# KiCad board keyboard.kicad_pcb
title: Entropy; date: 2021-07-25; rev: 0.4w; company: Josh Johnson
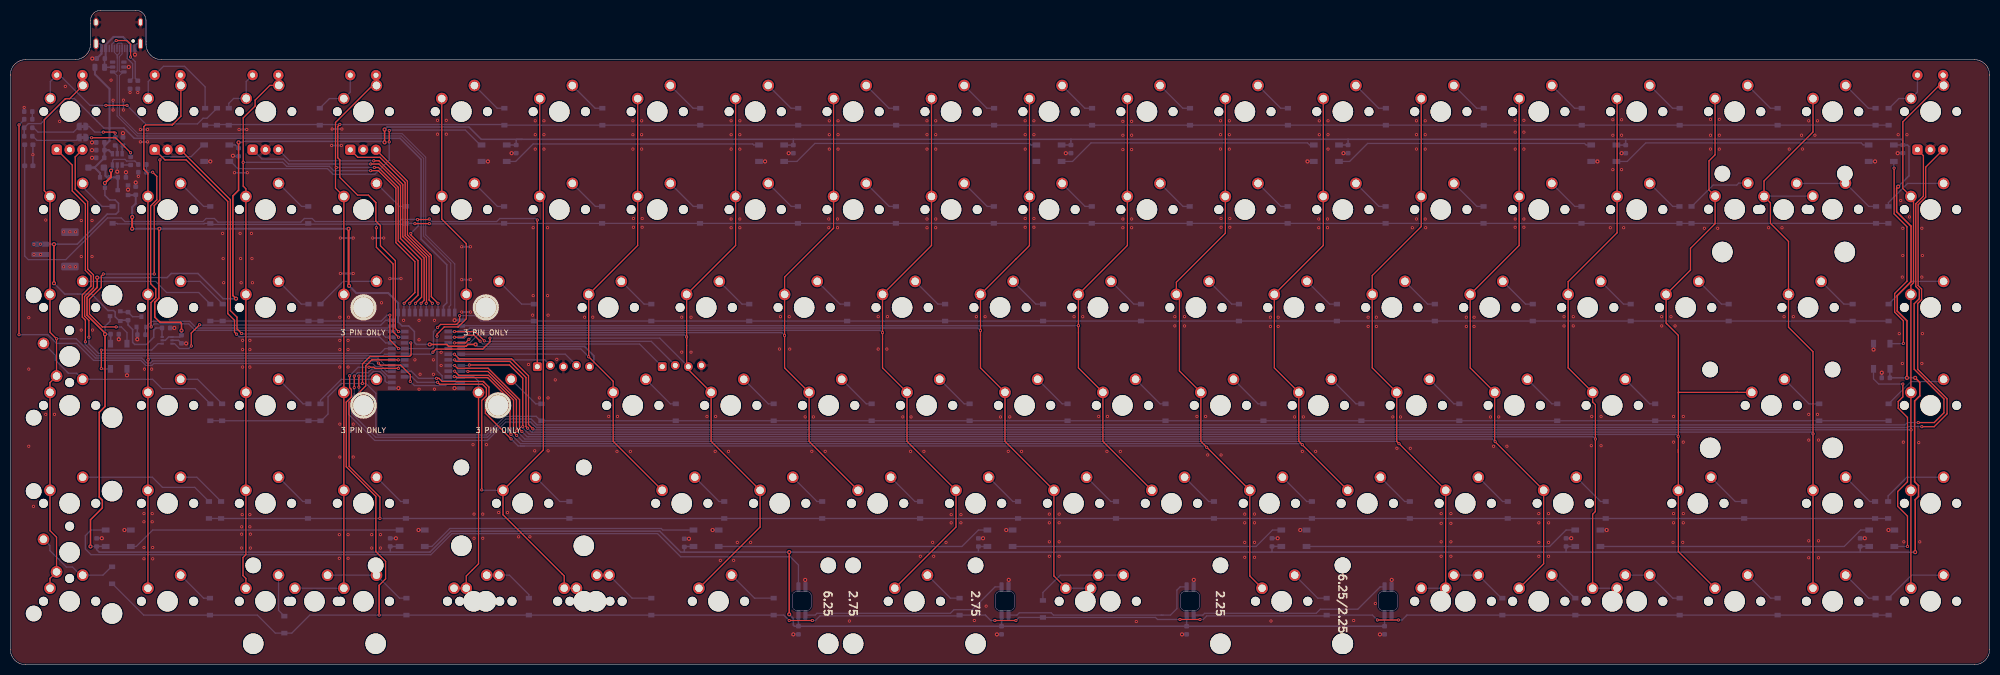
[diagram p0: board, top side]
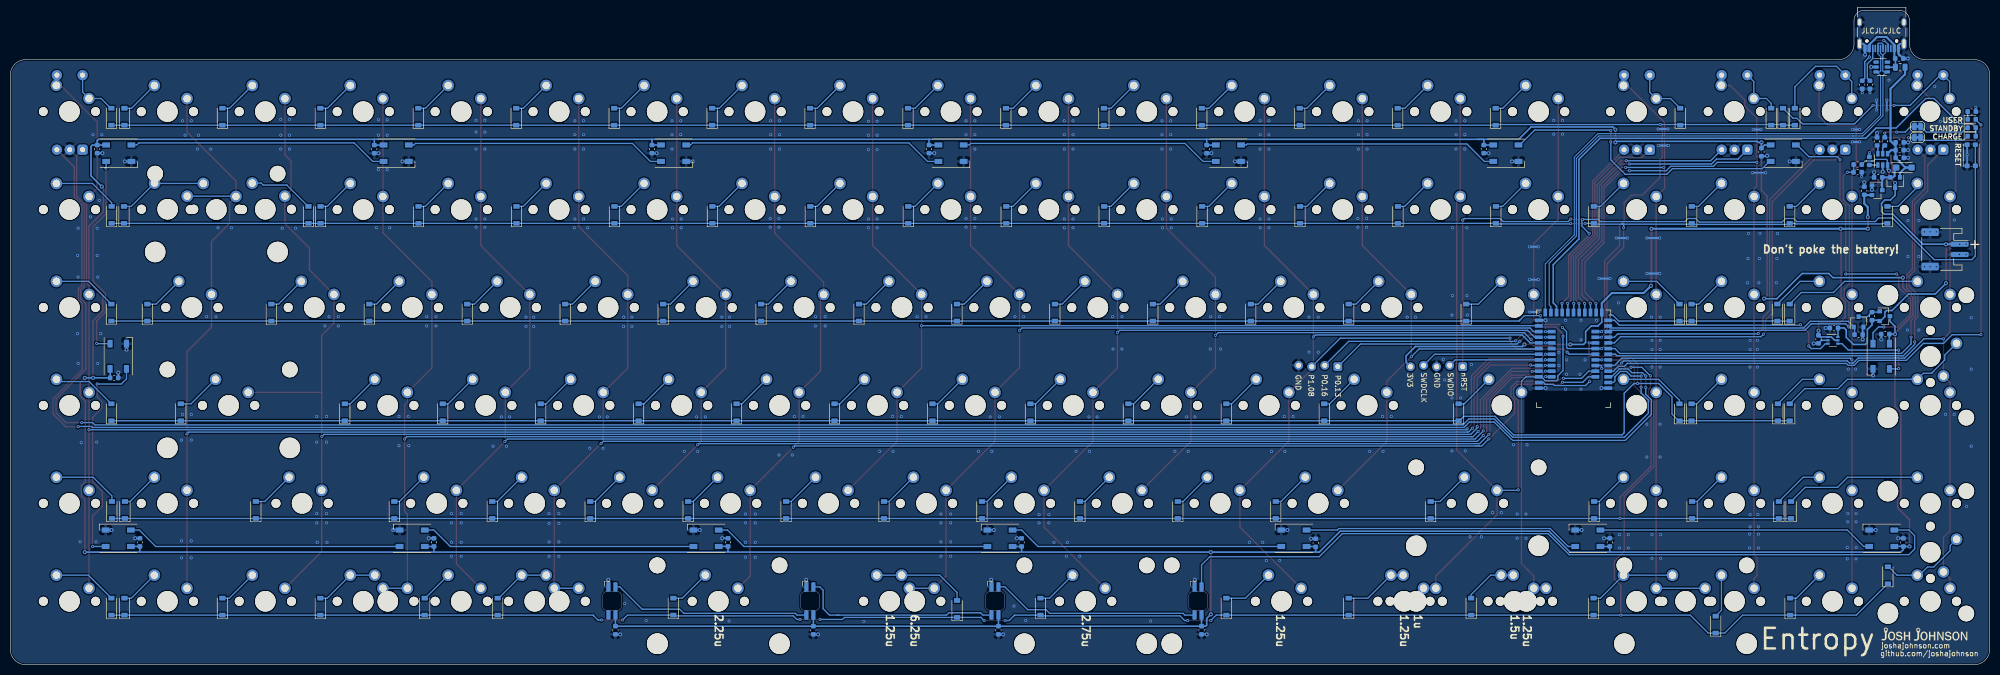
[diagram p1: board, bottom side, seen from below]

Outline 385 x 127.3 mm; copper layers: Top, Bottom. Coordinates in mm from the lower left corner of the outline.
Outline path: 0,114.7 arc(0.88,116.82) 3,117.7 12.6,117.7 arc(14.72,118.58) 15.6,120.7 15.6,125.3 arc(16.19,126.71) 17.6,127.3 24.4,127.3 arc(25.81,126.71) 26.4,125.3 26.4,120.7 arc(27.28,118.58) 29.4,117.7 382,117.7 arc(384.12,116.82) 385,114.7 385,3 arc(384.12,0.88) 382,0 3,0 arc(0.88,0.88) 0,3 0,114.7
Stack: Top 0.035mm / dielectric 1.51mm FR4 er 4.5 / Bottom 0.035mm

## Placement (name value [footprint] x y rotation side)
C1  100n  [C_0603_1608Metric]  368.1 100.3 90 bottom
C2  100n  [C_0603_1608Metric]  364.79 55.8 0 bottom
C3  100n  [C_0603_1608Metric]  359.8 23.8 270 bottom
C4  100n  [C_0603_1608Metric]  314.2 100.29 90 bottom
C5  100n  [C_0603_1608Metric]  302.6 23.8 270 bottom
C6  100n  [C_0603_1608Metric]  267.3 6.7 90 bottom
C7  100n  [C_0603_1608Metric]  260.2 100.3 90 bottom
C8  100n  [C_0603_1608Metric]  245.4 23.8 270 bottom
C9  100n  [C_0603_1608Metric]  228.8 6.7 90 bottom
C10  100n  [C_0603_1608Metric]  206.3 100.3 90 bottom
C11  100n  [C_0603_1608Metric]  192.8 6.7 90 bottom
C12  100n  [C_0603_1608Metric]  188.3 23.79 270 bottom
C13  100n  [C_0603_1608Metric]  153.3 6.7 90 bottom
C14  100n  [C_0603_1608Metric]  152.3 100.29 90 bottom
C15  100n  [C_0603_1608Metric]  131.1 23.71 270 bottom
C16  100n  [C_0603_1608Metric]  98.4 100.3 90 bottom
C17  100n  [C_0603_1608Metric]  73.9 23.8 270 bottom
C18  100n  [C_0603_1608Metric]  44.4 99.7 90 bottom
C19  100n  [C_0603_1608Metric]  33.3 63.3 270 bottom
C20  100n  [C_0603_1608Metric]  30.3 65.5 0 bottom
C21  1u  [C_0603_1608Metric]  24.4 92.2 270 bottom
C22  10u  [C_0603_1608Metric]  21.7 94.8 0 bottom
C23  100n  [C_0603_1608Metric]  20.31 64.3 180 bottom
C24  10u  [C_0603_1608Metric]  17.6 117.91 0 bottom
C25  10u  [C_0603_1608Metric]  17.51 101.59 180 bottom
C26  1u  [C_0603_1608Metric]  17.53 100.09 180 bottom
C27  100n  [C_0603_1608Metric]  16.8 23.79 270 bottom
D1  SK6812-MINI-E  [SK8612-MINI-E]  154 12.35 90 top
D2  SK6812-MINI-E  [SK8612-MINI-E]  193.5 12.35 90 top
D3  SK6812-MINI-E  [SK8612-MINI-E]  229.5 12.35 90 top
D4  SK6812-MINI-E  [SK8612-MINI-E]  268 12.35 90 top
D5  WS2812C  [LED_WS2812B_PLCC4_5.0x5.0mm_P3.2mm]  364 60 90 bottom
D6  WS2812C  [LED_WS2812B_PLCC4_5.0x5.0mm_P3.2mm]  364 24.6 0 bottom
D7  WS2812C  [LED_WS2812B_PLCC4_5.0x5.0mm_P3.2mm]  363.9 99.5 180 bottom
D8  WS2812C  [LED_WS2812B_PLCC4_5.0x5.0mm_P3.2mm]  309.94 99.5 180 bottom
D9  WS2812C  [LED_WS2812B_PLCC4_5.0x5.0mm_P3.2mm]  306.83 24.6 0 bottom
D10  WS2812C  [LED_WS2812B_PLCC4_5.0x5.0mm_P3.2mm]  255.98 99.5 180 bottom
D11  WS2812C  [LED_WS2812B_PLCC4_5.0x5.0mm_P3.2mm]  249.67 24.6 0 bottom
D12  WS2812C  [LED_WS2812B_PLCC4_5.0x5.0mm_P3.2mm]  202.02 99.5 180 bottom
D13  WS2812C  [LED_WS2812B_PLCC4_5.0x5.0mm_P3.2mm]  192.5 24.6 0 bottom
D14  WS2812C  [LED_WS2812B_PLCC4_5.0x5.0mm_P3.2mm]  148.07 99.5 180 bottom
D15  WS2812C  [LED_WS2812B_PLCC4_5.0x5.0mm_P3.2mm]  135.33 24.6 0 bottom
D16  WS2812C  [LED_WS2812B_PLCC4_5.0x5.0mm_P3.2mm]  94.11 99.5 180 bottom
D17  WS2812C  [LED_WS2812B_PLCC4_5.0x5.0mm_P3.2mm]  78.17 24.6 0 bottom
D18  WS2812C  [LED_WS2812B_PLCC4_5.0x5.0mm_P3.2mm]  40.15 99.5 180 bottom
D19  WS2812C  [LED_WS2812B_PLCC4_5.0x5.0mm_P3.2mm]  21.1 60 270 bottom
D20  WS2812C  [LED_WS2812B_PLCC4_5.0x5.0mm_P3.2mm]  21 24.6 0 bottom
D21  B5817WL  [D_SOD-123FL]  16.7 96.7 180 bottom
D22  BLU  [LED_0603_1608Metric]  3.5 106.1 180 bottom
D23  GRN  [LED_0603_1608Metric]  3.5 104.45 180 bottom
D24  ORG  [LED_0603_1608Metric]  3.5 102.8 180 bottom
D_1  1N4148  [D_SOD-123]  365.34 106.6 90 bottom
D_2  1N4148  [D_SOD-123]  365.29 87.5 90 bottom
D_3  1N4148  [D_SOD-123]  365.34 68.5 90 bottom
D_4  1N4148  [D_SOD-123]  365.34 49.1 90 bottom
D_5  1N4148  [D_SOD-123]  365.34 11.3 90 bottom
D_6  1N4148  [D_SOD-123]  365.24 30.1 90 bottom
D_7  1N4148  [D_SOD-123]  362.89 87.5 90 bottom
D_8  1N4148  [D_SOD-123]  362.8 106.6 90 bottom
D_9  1N4148  [D_SOD-123]  362.8 11.3 90 bottom
D_10  1N4148  [D_SOD-123]  362.7 30.1 90 bottom
D_11  1N4148  [D_SOD-123]  358.34 68.5 90 bottom
D_12  1N4148  [D_SOD-123]  351.84 49.1 90 bottom
D_13  1N4148  [D_SOD-123]  343.75 106.6 90 bottom
D_14  1N4148  [D_SOD-123]  343.75 11.3 90 bottom
D_15  1N4148  [D_SOD-123]  337.24 30.1 90 bottom
D_16  1N4148  [D_SOD-123]  334.23 68.5 90 bottom
D_17  1N4148  [D_SOD-123]  327 87.5 90 bottom
D_18  1N4148  [D_SOD-123]  324.7 106.6 90 bottom
D_19  1N4148  [D_SOD-123]  324.7 11.3 90 bottom
D_20  1N4148  [D_SOD-123]  324.65 87.5 90 bottom
D_21  1N4148  [D_SOD-123]  319.94 49.1 90 bottom
D_22  1N4148  [D_SOD-123]  315.18 68.5 90 bottom
D_23  1N4148  [D_SOD-123]  310.31 30.1 90 bottom
D_24  1N4148  [D_SOD-123]  305.65 106.6 90 bottom
D_25  1N4148  [D_SOD-123]  305.6 87.5 90 bottom
D_26  1N4148  [D_SOD-123]  304.4 11.3 90 bottom
D_27  1N4148  [D_SOD-123]  300.89 49.1 90 bottom
D_28  1N4148  [D_SOD-123]  296.12 68.5 90 bottom
D_29  1N4148  [D_SOD-123]  291.26 30.1 90 bottom
D_30  1N4148  [D_SOD-123]  290.2 11.3 90 bottom
D_31  1N4148  [D_SOD-123]  286.6 106.6 90 bottom
D_32  1N4148  [D_SOD-123]  286.55 87.5 90 bottom
D_33  1N4148  [D_SOD-123]  281.84 49.1 90 bottom
D_34  1N4148  [D_SOD-123]  277.07 68.5 90 bottom
D_35  1N4148  [D_SOD-123]  272.21 30.1 90 bottom
D_36  1N4148  [D_SOD-123]  267.55 106.6 90 bottom
D_37  1N4148  [D_SOD-123]  267.5 87.5 90 bottom
D_38  1N4148  [D_SOD-123]  262.79 49.1 90 bottom
D_39  1N4148  [D_SOD-123]  258.02 68.5 90 bottom
D_40  1N4148  [D_SOD-123]  256.04 11.3 90 bottom
D_41  1N4148  [D_SOD-123]  253.16 30.1 90 bottom
D_42  1N4148  [D_SOD-123]  248.5 106.6 90 bottom
D_43  1N4148  [D_SOD-123]  248.45 87.5 90 bottom
D_44  1N4148  [D_SOD-123]  243.74 49.1 90 bottom
D_45  1N4148  [D_SOD-123]  238.98 68.5 90 bottom
D_46  1N4148  [D_SOD-123]  234.11 30.1 90 bottom
D_47  1N4148  [D_SOD-123]  229.45 106.6 90 bottom
D_48  1N4148  [D_SOD-123]  229.4 87.5 90 bottom
D_49  1N4148  [D_SOD-123]  224.69 49.1 90 bottom
D_50  1N4148  [D_SOD-123]  200.85 10.85 90 bottom
D_51  1N4148  [D_SOD-123]  219.93 68.5 90 bottom
D_52  1N4148  [D_SOD-123]  215.06 30.1 90 bottom
D_53  1N4148  [D_SOD-123]  210.4 106.6 90 bottom
D_54  1N4148  [D_SOD-123]  210.35 87.5 90 bottom
D_55  1N4148  [D_SOD-123]  205.64 49.1 90 bottom
D_56  1N4148  [D_SOD-123]  200.88 68.5 90 bottom
D_57  1N4148  [D_SOD-123]  196.01 30.1 90 bottom
D_58  1N4148  [D_SOD-123]  191.35 106.6 90 bottom
D_59  1N4148  [D_SOD-123]  191.3 87.5 90 bottom
D_60  1N4148  [D_SOD-123]  186.59 49.1 90 bottom
D_61  1N4148  [D_SOD-123]  184.64 11.3 90 bottom
D_62  1N4148  [D_SOD-123]  181.82 68.5 90 bottom
D_63  1N4148  [D_SOD-123]  176.96 30.1 90 bottom
D_64  1N4148  [D_SOD-123]  172.3 106.6 90 bottom
D_65  1N4148  [D_SOD-123]  172.25 87.5 90 bottom
D_66  1N4148  [D_SOD-123]  167.54 49.1 90 bottom
D_67  1N4148  [D_SOD-123]  162.77 68.5 90 bottom
D_68  1N4148  [D_SOD-123]  157.91 30.1 90 bottom
D_69  1N4148  [D_SOD-123]  153.25 106.6 90 bottom
D_70  1N4148  [D_SOD-123]  153.2 87.5 90 bottom
D_71  1N4148  [D_SOD-123]  148.49 49.1 90 bottom
D_72  1N4148  [D_SOD-123]  148.49 11.3 90 bottom
D_73  1N4148  [D_SOD-123]  143.72 68.5 90 bottom
D_74  1N4148  [D_SOD-123]  138.86 30.1 90 bottom
D_75  1N4148  [D_SOD-123]  134.2 106.6 90 bottom
D_76  1N4148  [D_SOD-123]  134.15 87.5 90 bottom
D_77  1N4148  [D_SOD-123]  129.44 49.1 90 bottom
D_78  1N4148  [D_SOD-123]  124.68 68.5 90 bottom
D_79  1N4148  [D_SOD-123]  124.68 11.3 90 bottom
D_80  1N4148  [D_SOD-123]  115.15 106.6 90 bottom
D_81  1N4148  [D_SOD-123]  115.1 87.5 90 bottom
D_82  1N4148  [D_SOD-123]  108.74 30.1 90 bottom
D_83  1N4148  [D_SOD-123]  103.3 49.1 90 bottom
D_84  1N4148  [D_SOD-123]  101.84 68.5 90 bottom
D_85  1N4148  [D_SOD-123]  100.86 11.3 90 bottom
D_86  1N4148  [D_SOD-123]  96.1 106.6 90 bottom
D_87  1N4148  [D_SOD-123]  96.05 87.5 90 bottom
D_88  1N4148  [D_SOD-123]  77 87.5 90 bottom
D_89  1N4148  [D_SOD-123]  77.05 11.3 90 bottom
D_90  1N4148  [D_SOD-123]  76.95 30.1 90 bottom
D_91  1N4148  [D_SOD-123]  60.34 68.5 90 bottom
D_92  1N4148  [D_SOD-123]  60.34 49.1 90 bottom
D_93  1N4148  [D_SOD-123]  60.2 106.6 90 bottom
D_94  1N4148  [D_SOD-123]  58 68.5 90 bottom
D_95  1N4148  [D_SOD-123]  58 49.1 90 bottom
D_96  1N4148  [D_SOD-123]  57.95 87.5 90 bottom
D_97  1N4148  [D_SOD-123]  57.9 30.1 90 bottom
D_98  1N4148  [D_SOD-123]  53.3 7.8 90 bottom
D_99  1N4148  [D_SOD-123]  42.5 106.6 90 bottom
D_100  1N4148  [D_SOD-123]  41.31 68.5 90 bottom
D_101  1N4148  [D_SOD-123]  41.2 49.1 90 bottom
D_102  1N4148  [D_SOD-123]  41 30.1 90 bottom
D_103  1N4148  [D_SOD-123]  40.2 106.6 90 bottom
D_104  1N4148  [D_SOD-123]  38.9 87.5 90 bottom
D_105  1N4148  [D_SOD-123]  38.9 68.5 90 bottom
D_106  1N4148  [D_SOD-123]  38.9 49.1 90 bottom
D_107  1N4148  [D_SOD-123]  38.84 11.3 90 bottom
D_108  1N4148  [D_SOD-123]  38.64 30.1 90 bottom
D_109  1N4148  [D_SOD-123]  37.9 106.6 90 bottom
D_110  1N4148  [D_SOD-123]  19.9 87.5 90 bottom
D_111  1N4148  [D_SOD-123]  19.8 17.4 90 bottom
F1  500mA  [Fuse_0805_2012Metric]  17.4 116.21 0 bottom
J1  SWD  [5_PIN_THT_Staggered]  102.5 58.1 270 bottom
J2  USB_C_Receptacle_USB2.0  [USB_C_Receptacle_HRO_TYPE-C-31-M-12]  21 123.92 0 bottom
J3  JST_PH2  [JST_PH_S2B-PH-SM4-TB_1x02-1MP_P2.00mm_Horizontal]  8.7 80.8 270 bottom
J4  Spare IO  [4_PIN_THT_Staggered]  126.8 58.1 270 bottom
JP1  JMP  [SolderJumper-2_P1.3mm_Bridged_RoundedPad1.0x1.5mm]  14.05 104.7 0 bottom
JP2  JMP  [SolderJumper-2_P1.3mm_Bridged_RoundedPad1.0x1.5mm]  14.05 102.55 0 bottom
K_1  Encoder_MX  [MX_KEYSWITCH_ENCODER]  11.54 107.59 0 top
K_2  KEYSW  [MXOnly-1U-NoLED]  11.54 88.54 0 top
K_3  KEYSW  [MXOnly-1U-NoLED]  11.54 69.49 0 top
K_4  KEYSW  [MXOnly-2U-NoLED]  11.54 59.96 90 top
K_5  KEYSW  [MXOnly-1U-NoLED]  11.54 50.44 0 top
K_6  KEYSW  [MXOnly-1U-NoLED]  11.54 31.39 0 top
K_7  KEYSW  [MXOnly-2U-NoLED]  11.54 21.86 90 top
K_8  KEYSW  [MXOnly-1U-NoLED]  11.54 12.34 0 top
K_9  Encoder_MX  [MX_KEYSWITCH_ENCODER]  30.59 107.59 0 top
K_10  KEYSW  [MXOnly-1U-NoLED]  30.59 88.54 0 top
K_11  KEYSW  [MXOnly-1U-NoLED]  30.59 69.49 0 top
K_12  KEYSW  [MXOnly-1U-NoLED]  30.59 50.44 0 top
K_13  KEYSW  [MXOnly-1U-NoLED]  30.59 31.39 0 top
K_14  KEYSW  [MXOnly-1U-NoLED]  30.59 12.34 0 top
K_15  Encoder_MX  [MX_KEYSWITCH_ENCODER]  49.64 107.59 0 top
K_16  KEYSW  [MXOnly-1U-NoLED]  49.64 88.54 0 top
K_17  KEYSW  [MXOnly-1U-NoLED]  49.64 69.49 0 top
K_18  KEYSW  [MXOnly-1U-NoLED]  49.64 50.44 0 top
K_19  KEYSW  [MXOnly-1U-NoLED]  49.64 31.39 0 top
K_20  KEYSW  [MXOnly-1U-NoLED]  49.64 12.34 0 top
K_21  KEYSW  [MXOnly-2U-NoLED]  59.16 12.34 0 top
K_22  Encoder_MX  [MX_KEYSWITCH_ENCODER]  68.63 107.57 0 top
K_23  KEYSW  [MXOnly-1U-NoLED]  68.69 88.54 0 top
K_24  KEYSW  [MXOnly-1U-NoLED-3PIN]  68.69 69.49 0 top
K_25  KEYSW  [MXOnly-1U-NoLED-3PIN]  68.69 50.44 0 top
K_26  KEYSW  [MXOnly-1U-NoLED]  68.69 31.39 0 top
K_27  KEYSW  [MXOnly-1U-NoLED]  68.69 12.34 0 top
K_28  KEYSW  [MXOnly-1U-NoLED]  87.74 107.59 0 top
K_29  KEYSW  [MXOnly-1U-NoLED]  87.74 88.54 0 top
K_30  KEYSW  [MXOnly-1.25U-NoLED]  90.12 12.34 0 top
K_31  KEYSW  [MXOnly-1.5U-NoLED-3PIN]  92.5 69.49 0 top
K_32  KEYSW  [MXOnly-1.75U-NoLED-3PIN]  94.88 50.44 0 top
K_33  KEYSW  [MXOnly-2.25U-NoLED]  99.64 31.39 0 top
K_34  KEYSW  [MXOnly-1U-NoLED]  106.79 107.59 0 top
K_35  KEYSW  [MXOnly-1U-NoLED]  106.79 88.54 0 top
K_36  KEYSW  [MXOnly-1.25U-NoLED]  113.93 12.34 0 top
K_37  KEYSW  [MXOnly-1U-NoLED]  116.31 69.49 0 top
K_38  KEYSW  [MXOnly-1U-NoLED]  121.07 50.44 0 top
K_39  KEYSW  [MXOnly-1U-NoLED]  125.84 107.59 0 top
K_40  KEYSW  [MXOnly-1U-NoLED]  125.84 88.54 0 top
K_41  KEYSW  [MXOnly-1U-NoLED]  130.6 31.39 0 top
K_42  KEYSW  [MXOnly-1U-NoLED]  135.36 69.49 0 top
K_43  KEYSW  [MXOnly-1.25U-NoLED]  137.74 12.34 0 top
K_44  KEYSW  [MXOnly-1U-NoLED]  140.12 50.44 0 top
K_45  KEYSW  [MXOnly-1U-NoLED]  144.89 107.59 0 top
K_46  KEYSW  [MXOnly-1U-NoLED]  144.89 88.54 0 top
K_47  KEYSW  [MXOnly-1U-NoLED]  149.65 31.39 0 top
K_48  KEYSW  [MXOnly-1U-NoLED]  154.41 69.49 0 top
K_49  KEYSW  [MXOnly-1U-NoLED]  159.18 50.44 0 top
K_50  KEYSW  [MXOnly-1U-NoLED]  163.94 107.59 0 top
K_51  KEYSW  [MXOnly-1U-NoLED]  163.94 88.54 0 top
K_52  KEYSW  [MXOnly-1U-NoLED]  168.7 31.39 0 top
K_53  KEYSW  [MXOnly-1U-NoLED]  173.46 69.49 0 top
K_54  KEYSW  [MXOnly-2.75U-NoLED]  175.84 12.34 0 top
K_55  KEYSW  [MXOnly-1U-NoLED]  178.23 50.44 0 top
K_56  KEYSW  [MXOnly-1U-NoLED]  182.99 107.59 0 top
K_57  KEYSW  [MXOnly-1U-NoLED]  182.99 88.54 0 top
K_58  KEYSW  [MXOnly-1U-NoLED]  187.75 31.39 0 top
K_59  KEYSW  [MXOnly-1U-NoLED]  192.51 69.49 0 top
K_60  KEYSW  [MXOnly-1U-NoLED]  197.27 50.44 0 top
K_61  KEYSW  [MXOnly-1U-NoLED]  202.04 107.59 0 top
K_62  KEYSW  [MXOnly-1U-NoLED]  202.04 88.54 0 top
K_63  KEYSW  [MXOnly-1U-NoLED]  206.8 31.39 0 top
K_64  KEYSW  [MXOnly-6.25U-NoLED]  209.1 12.34 0 top
K_65  KEYSW  [MXOnly-1U-NoLED]  211.56 69.49 0 top
K_66  KEYSW  [MXOnly-1.25U-NoLED]  213.94 12.34 0 top
K_67  KEYSW  [MXOnly-1U-NoLED]  216.32 50.44 0 top
K_68  KEYSW  [MXOnly-1U-NoLED]  221.09 107.59 0 top
K_69  KEYSW  [MXOnly-1U-NoLED]  221.09 88.54 0 top
K_70  KEYSW  [MXOnly-1U-NoLED]  225.85 31.39 0 top
K_71  KEYSW  [MXOnly-1U-NoLED]  230.61 69.49 0 top
K_72  KEYSW  [MXOnly-1U-NoLED]  235.38 50.44 0 top
K_73  KEYSW  [MXOnly-1U-NoLED]  240.14 107.59 0 top
K_74  KEYSW  [MXOnly-1U-NoLED]  240.14 88.54 0 top
K_75  KEYSW  [MXOnly-1U-NoLED]  244.9 31.39 0 top
K_76  KEYSW  [MXOnly-2.25U-NoLED]  247.28 12.34 0 top
K_77  KEYSW  [MXOnly-1U-NoLED]  249.66 69.49 0 top
K_78  KEYSW  [MXOnly-1U-NoLED]  254.43 50.44 0 top
K_79  KEYSW  [MXOnly-1U-NoLED]  259.19 107.59 0 top
K_80  KEYSW  [MXOnly-1U-NoLED]  259.19 88.54 0 top
K_81  KEYSW  [MXOnly-1U-NoLED]  263.95 31.39 0 top
K_82  KEYSW  [MXOnly-1U-NoLED]  268.71 69.49 0 top
K_83  KEYSW  [MXOnly-1U-NoLED]  273.48 50.44 0 top
K_84  KEYSW  [MXOnly-1U-NoLED]  278.24 107.59 0 top
K_85  KEYSW  [MXOnly-1U-NoLED]  278.24 88.54 0 top
K_86  KEYSW  [MXOnly-1U-NoLED]  278.24 12.34 0 top
K_87  KEYSW  [MXOnly-1U-NoLED]  283 31.39 0 top
K_88  KEYSW  [MXOnly-1.5U-NoLED]  283 12.34 0 top
K_89  KEYSW  [MXOnly-1U-NoLED]  287.76 69.49 0 top
K_90  KEYSW  [MXOnly-1U-NoLED]  292.52 50.44 0 top
K_91  KEYSW  [MXOnly-1U-NoLED]  297.29 107.59 0 top
K_92  KEYSW  [MXOnly-1U-NoLED]  297.29 88.54 0 top
K_93  KEYSW  [MXOnly-1U-NoLED]  297.29 12.34 0 top
K_94  KEYSW  [MXOnly-1U-NoLED]  302.05 31.39 0 top
K_95  KEYSW  [MXOnly-1U-NoLED]  306.81 69.49 0 top
K_96  KEYSW  [MXOnly-1U-NoLED]  311.57 50.44 0 top
K_97  KEYSW  [MXOnly-1.5U-NoLED]  311.57 12.34 0 top
K_98  KEYSW  [MXOnly-1U-NoLED]  316.34 107.59 0 top
K_99  KEYSW  [MXOnly-1U-NoLED]  316.34 88.54 0 top
K_100  KEYSW  [MXOnly-1U-NoLED]  316.34 12.34 0 top
K_101  KEYSW  [MXOnly-1U-NoLED]  325.86 69.49 0 top
K_102  KEYSW  [MXOnly-1.75U-NoLED]  328.24 31.39 0 top
K_103  KEYSW  [MXOnly-1U-NoLED]  335.39 107.59 0 top
K_104  KEYSW  [MXOnly-1U-NoLED]  335.4 88.6 0 top
K_105  KEYSW  [MXOnly-1U-NoLED]  335.39 12.34 0 top
K_106  KEYSW  [MXOnly-2.25U-NoLED]  342.53 50.44 0 top
K_107  KEYSW  [MXOnly-2U-NoLED]  344.91 88.54 0 top
K_108  KEYSW  [MXOnly-1.5U-NoLED]  349.68 69.49 0 top
K_109  KEYSW  [MXOnly-1U-NoLED]  354.44 107.59 0 top
K_110  KEYSW  [MXOnly-1U-NoLED]  354.4 88.6 0 top
K_111  KEYSW  [MXOnly-1U-NoLED]  354.44 31.39 0 top
K_112  KEYSW  [MXOnly-1U-NoLED]  354.44 12.34 0 top
K_113  Encoder_MX  [MX_KEYSWITCH_ENCODER]  373.44 107.58 0 top
K_114  KEYSW  [MXOnly-1U-NoLED]  373.49 88.54 0 top
K_115  KEYSW  [MXOnly-1U-NoLED]  373.49 69.49 0 top
K_116  KEYSW  [MXOnly-1U-NoLED]  373.49 50.44 0 top
K_117  KEYSW  [MXOnly-1U-NoLED]  373.49 31.39 0 top
K_118  KEYSW  [MXOnly-1U-NoLED]  373.49 12.34 0 top
K_120  KEYSW  [MXOnly-1.5U-NoLED]  92.5 12.34 0 top
K_121  KEYSW  [MXOnly-1U-NoLED]  111.55 12.34 0 top
LOGO1  Josh-Details  [josh-details]  81.23 -23.79 180 bottom
LOGO2  Josh-Logo  [josh-johnson-logo-17x3]  12.67 5.99 180 bottom
LOGO3  OSHW Logo  [OSHW_Logo_3.6x3.6_F.Mask]  2.4 4.3 180 bottom
Q1  2N7002  [SOT-23]  25.5 66.7 90 bottom
Q2  AO3401A  [SOT-23]  20.4 67.8 180 bottom
Q3  AO3401A  [SOT-23]  18.4 93.8 270 bottom
R1  806K  [R_0603_1608Metric]  25.69 97.3 0 bottom
R2  2M  [R_0603_1608Metric]  25.69 95.8 180 bottom
R3  5K1  [R_0603_1608Metric]  25.5 64.2 180 bottom
R4  5K1  [R_0603_1608Metric]  24.8 112.81 90 bottom
R5  5K1  [R_0603_1608Metric]  23.41 98 90 bottom
R6  5K1  [R_0603_1608Metric]  22.9 67.8 270 bottom
R7  5K1  [R_0603_1608Metric]  23.3 112.81 270 bottom
R8  2K  [R_0603_1608Metric]  21.91 101.8 270 bottom
R9  5K1  [R_0603_1608Metric]  20.41 101.8 90 bottom
R10  806K  [R_0603_1608Metric]  17.5 98.6 180 bottom
R11  2K  [R_0603_1608Metric]  3.5 107.6 180 bottom
SW1  RESET  [SW_Push_KMR2]  3.6 99.1 270 bottom
U1  -  [nRF52840_holyiot_18010]  80.95 59.5 0 bottom
U2  SN74LVC1T45DBV  [SOT-363_SC-70-6]  30.5 63.1 180 bottom
U3  XC6206P332MR  [SOT-23]  21.9 92.3 180 bottom
U4  SRV05-4  [SOT-23-6#2]  21 116.26 180 bottom
U5  TP4057  [SOT-23-6]  20.81 98.3 90 bottom

## Library data of the parts
C1-C20 C23 C27 = -: JLCSMT: C14663; LCSC: C14663; MPN: CC0603KRX7R9BB104; Manufacturer: YAGEO
C21 C26 = -: JLCSMT: C15849; LCSC: C15849; MPN: CL10A105KB8NNNC; Manufacturer: Samsung Electro-Mechanics
C22 C24 C25 = -: JLCSMT: C19702; LCSC: C19702; MPN: CL10A106KP8NNNC; Manufacturer: Samsung Electro-Mechanics
D1-D4 = -: Manufacturer: Shenzhen LED Color; Notes: https://www.aliexpress.com/i/4000476037223.html
D5-D20 = -: JLCSMT: C114587; LCSC: C114587; Manufacturer: Worldsemi
D21 = -: JLCSMT: C122853; LCSC: C122853; Manufacturer: Shikues
D22 = -: JLCSMT: C72041; LCSC: C72041; MPN: 19-217/BHC-ZL1M2RY/3T; Manufacturer: Everlight Elec
D23 = -: JLCSMT: C72043; LCSC: C72043; MPN: 19-217/GHC-YR1S2/3T; Manufacturer: Everlight Elec
D24 = -: JLCSMT: C2286; LCSC: C2286; MPN: KT-0603R; Manufacturer: Hubei KENTO Elec
D_1-D_111 = -: JLCSMT: C81598; LCSC: C81598; MPN: 1N4148W; Manufacturer: Semtech
F1 = -: JLCSMT: C66452; LCSC: C66452; MPN: SMD0805-050; Manufacturer: TECHFUSE
J1 JP1 JP2 K_1-K_118 K_120 K_121 LOGO1-LOGO3 = -: DNP: DNP
J2 = -: JLCSMT: C165948; LCSC: C165948; MPN: TYPE-C-31-M-12; Manufacturer: Korean Hroparts Elec
J3 = -: JLCSMT: C47647; LCSC: C47647; MPN: C47647; Manufacturer: Boom Precision Elec
Q1 = -: JLCSMT: C8545; LCSC: C8545; Manufacturer: Changjiang Electronics Tech (CJ)
Q2 Q3 = -: JLCSMT: C15127; LCSC: C15127; Manufacturer: Alpha & Omega Semicon
R1 R10 = -: JLCSMT: C23250; LCSC: C23250; MPN: 0603WAF8063T5E; Manufacturer: Uniroyal Elec
R2 = -: JLCSMT: C22976; LCSC: C22976; MPN: 0603WAF2004T5E; Manufacturer: Uniroyal Elec
R3-R7 R9 = -: JLCSMT: C23186; LCSC: C23186; MPN: 0603WAF5101T5E; Manufacturer: Uniroyal Elec
SW1 = -: JLCSMT: C99271; LCSC: C99271; MPN: KMR231GLFS; Manufacturer: C&K
U1 = -: MPN: YJ-18010; Manufacturer: Holyiot
U2 = -: JLCSMT: C7843; LCSC: C7843; Manufacturer: Texas Instruments
U3 = -: JLCSMT: C5446; LCSC: C5446; Manufacturer: Torex Semicon
U4 = -: JLCSMT: C85364; LCSC: C85364; MPN: SRV05-4-P-T7; Manufacturer: ProTek Devices
U5 = -: JLCSMT: C12044; LCSC: C12044; MPN: TP4057-42-SOT26-R; Manufacturer: TOPPOWER

## Footprints (pads in the part's own frame, mm; a bottom-side part is the same pattern mirrored in y, then rotated)
4_PIN_THT_Staggered
  rrect 1.7x1.7 hole 1: 1(0.127,0)
  oval 1.7x1.7 hole 1: 2(-0.127,-2.54) 3(0.127,-5.08) 4(-0.127,-7.62)
5_PIN_THT_Staggered
  rrect 1.7x1.7 hole 1: 1(0.127,0)
  oval 1.7x1.7 hole 1: 2(-0.127,-2.54) 3(0.127,-5.08) 4(-0.127,-7.62) 5(0.127,-10.16)
C_0603_1608Metric
  rrect 0.875x0.95 smd: 1(-0.787,0) 2(0.787,0)
D_SOD-123
  rect 0.9x1.2 smd: 1(-1.65,0) 2(1.65,0)
D_SOD-123FL
  rrect 1.25x1.22 smd: 1(-1.5,0) 2(1.5,0)
Fuse_0805_2012Metric
  rrect 0.975x1.4 smd: 1(-0.938,0) 2(0.938,0)
JST_PH_S2B-PH-SM4-TB_1x02-1MP_P2.00mm_Horizontal
  rrect 1x3.5 smd: 1(-1,2.85) 2(1,2.85)
  rrect 1.5x3.4 smd: 2(-3.35,-2.9) 2(3.35,-2.9)
LED_0603_1608Metric
  rrect 0.875x0.95 smd: 1(-0.787,0) 2(0.787,0)
LED_WS2812B_PLCC4_5.0x5.0mm_P3.2mm
  rect 1.5x1 smd: 1(-2.45,1.6) 2(-2.45,-1.6) 3(2.45,-1.6) 4(2.45,1.6)
MX_KEYSWITCH_ENCODER
  round 1.7 hole 1.7 unplated: (-5.02,0.02) (5.14,0.02)
  round 4 hole 4 unplated: (0.06,0.02)
  rrect 2x2 hole 1: A(-2.5,-7.4)
  round 2 hole 1: B(2.5,-7.4) C(0,-7.4) S1(2.5,7.1) S2(-2.5,7.1)
  round 2.2 hole 1.5: S1(2.6,5.1) S2(-3.75,2.56)
MXOnly-1.5U-NoLED
  round 1.75 hole 1.75 unplated: (-5.08,0) (5.08,0)
  round 3.988 hole 3.988 unplated: (0,0)
  round 2.25 hole 1.47: 1(-3.81,2.54) 2(2.54,5.08)
MXOnly-1.5U-NoLED-3PIN
  round 3.988 hole 3.988 unplated: (0,0)
  round 2.25 hole 1.47: 1(-3.81,2.54) 2(2.54,5.08)
MXOnly-1.25U-NoLED
  round 1.75 hole 1.75 unplated: (-5.08,0) (5.08,0)
  round 3.988 hole 3.988 unplated: (0,0)
  round 2.25 hole 1.47: 1(-3.81,2.54) 2(2.54,5.08)
MXOnly-1.75U-NoLED
  round 1.75 hole 1.75 unplated: (-5.08,0) (5.08,0)
  round 3.988 hole 3.988 unplated: (0,0)
  round 2.25 hole 1.47: 1(-3.81,2.54) 2(2.54,5.08)
MXOnly-1.75U-NoLED-3PIN
  round 3.988 hole 3.988 unplated: (0,0)
  round 2.25 hole 1.47: 1(-3.81,2.54) 2(2.54,5.08)
MXOnly-1U-NoLED
  round 1.75 hole 1.75 unplated: (-5.08,0) (5.08,0)
  round 3.988 hole 3.988 unplated: (0,0)
  round 2.25 hole 1.47: 1(-3.81,2.54) 2(2.54,5.08)
MXOnly-1U-NoLED-3PIN
  round 3.988 hole 3.988 unplated: (0,0)
  round 2.25 hole 1.47: 1(-3.81,2.54) 2(2.54,5.08)
MXOnly-2.25U-NoLED
  round 3.048 hole 3.048 unplated: (-11.906,6.985) (11.906,6.985)
  round 3.988 hole 3.988 unplated: (-11.906,-8.255) (0,0) (11.906,-8.255)
  round 1.75 hole 1.75 unplated: (-5.08,0) (5.08,0)
  round 2.25 hole 1.47: 1(-3.81,2.54) 2(2.54,5.08)
MXOnly-2.75U-NoLED
  round 3.048 hole 3.048 unplated: (-11.906,6.985) (11.906,6.985)
  round 3.988 hole 3.988 unplated: (-11.906,-8.255) (0,0) (11.906,-8.255)
  round 1.75 hole 1.75 unplated: (-5.08,0) (5.08,0)
  round 2.25 hole 1.47: 1(-3.81,2.54) 2(2.54,5.08)
MXOnly-2U-NoLED
  round 3.048 hole 3.048 unplated: (-11.906,6.985) (11.906,6.985)
  round 3.988 hole 3.988 unplated: (-11.906,-8.255) (0,0) (11.906,-8.255)
  round 1.75 hole 1.75 unplated: (-5.08,0) (5.08,0)
  round 2.25 hole 1.47: 1(-3.81,2.54) 2(2.54,5.08)
MXOnly-6.25U-NoLED
  round 3.048 hole 3.048 unplated: (-50,6.985) (50,6.985)
  round 3.988 hole 3.988 unplated: (-50,-8.255) (0,0) (50,-8.255)
  round 1.75 hole 1.75 unplated: (-5.08,0) (5.08,0)
  round 2.25 hole 1.47: 1(-3.81,2.54) 2(2.54,5.08)
nRF52840_holyiot_18010
  rect 1.524x0.7 smd: 1(-6.75,5.7) 2(-6.75,4.6) 3(-6.75,3.5) 4(-6.75,2.4) 5(-6.75,1.3) 6(-6.75,0.2) 7(-6.75,-0.9) 8(-6.75,-2) 9(-6.75,-3.1) 10(-6.75,-4.2) 11(-6.75,-5.3) 12(-6.75,-6.4) 13(-6.75,-7.5) 25(6.75,-7.5) 26(6.75,-6.4) 27(6.75,-5.3) 28(6.75,-4.2) 29(6.75,-3.1) 30(6.75,-2) 31(6.75,-0.9) 32(6.75,0.2) 33(6.75,1.3) 34(6.75,2.4) 35(6.75,3.5) 36(6.75,4.6) 37(6.75,5.7) 38(-4.25,3.5) 39(-4.25,2.4) 40(-4.25,1.3) 41(-4.25,0.2) 42(-4.25,-0.9) 43(-4.25,-2) 44(-4.25,-3.1) 45(-4.25,-4.2) 46(-4.25,-5.3) 47(4.25,3.5) 48(4.25,2.4) 49(4.25,1.3) 50(4.25,0.2) 51(4.25,-0.9) 52(4.25,-2) 53(4.25,-3.1) 54(4.25,-4.2) 55(4.25,-5.3)